# Allegro board RK3588_Template_LP4XD200P232SD10_32R6X52R0_2133MHz_H0R80_V10_20230220.brd (continued)
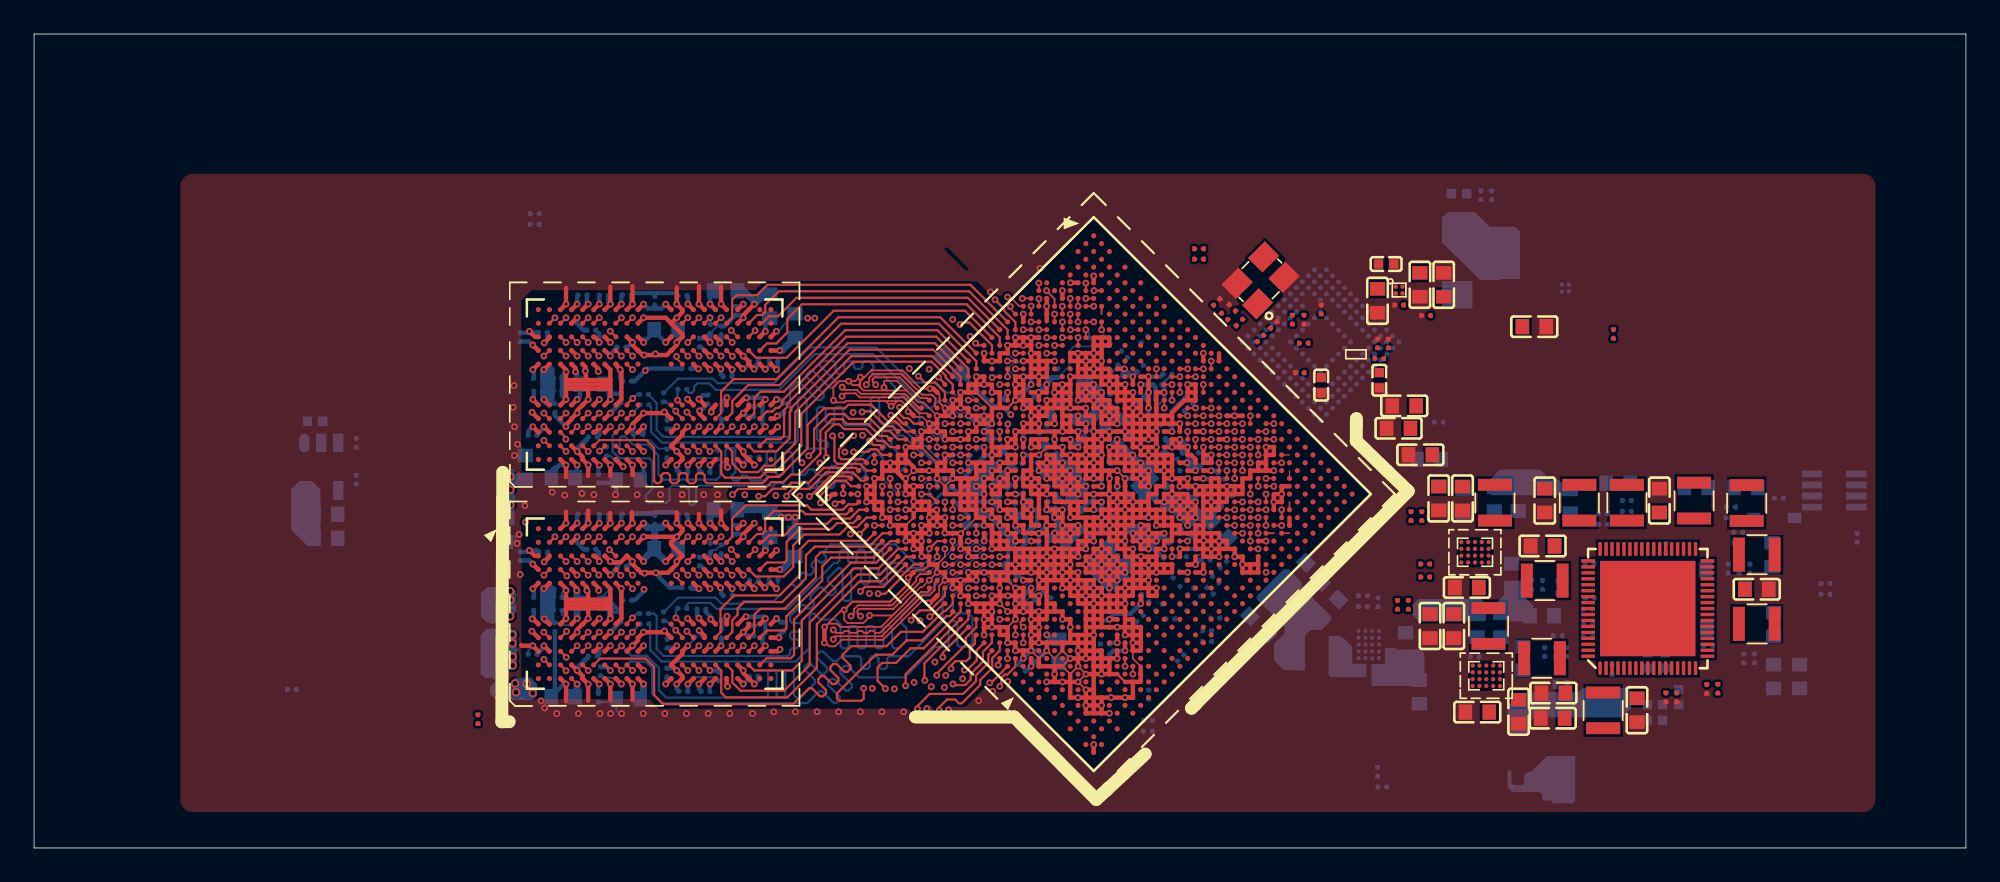
[diagram p0: board, top side]
## Routing (per net, layer and track width the routed paths; a pad name or vN(x,y) marks a point on that pad's centre or on a via; arc(x,y) is an arc through that point) (continued)
DDR_CH0_DQ5_A: length 27.4
  TOP w0.127: U1000.V2 55.3,12.96 54.68,12.34 54.68,11.94 52.98,10.24 v1(52.98,10.14) ; U3800.E4 v1(32.52,12.67)
  L8_S3 w0.094: v1(52.98,10.14) 52.91,10.07 52.78,10.07 52.35,10.5 44.08,10.5 43.41,11.17 43.41,12.02 43.15,12.28 42.73,12.28 42.62,12.39 42.62,12.64 42.51,12.75 42.3,12.75 42.19,12.64 42.19,12.39 42.08,12.28 32.91,12.28 v1(32.52,12.67)
DDR_CH0_DQ5_B: length 13.6
  TOP w0.127: U1000.G2 49.79,18.48 49.01,17.7 45.82,17.7 45.3,17.18 45.3,15.83 43.91,14.44 41.66,14.44 41.29,14.07 41.29,13.69 40.98,13.38 40.98,12.68 U3800.V4
DDR_CH0_DQ6_A: length 28
  TOP w0.127: U3800.C4 31.25,12.7 v1(31.25,12.72) ; U1000.V1 53.33,11.46 v1(53.33,11.21)
  L8_S3 w0.094: v1(31.25,12.72) 31.22,12.75 31.22,13.02 31.54,13.34 31.54,13.68 31.95,14.08 43.78,14.08 44.84,13.02 44.84,11.5 45.09,11.26 53.28,11.26 v1(53.33,11.21)
DDR_CH0_DQ6_B: length 11.5
  TOP w0.127: U3800.Y4 42.27,12.67 42.27,13.7 42.62,14.05 44.05,14.05 45.88,15.88 45.88,17.08 46.18,17.37 49.13,17.37 U1000.G1
DDR_CH0_DQ7_A: length 29.8
  TOP w0.127: U1000.U2 54.84,13.43 52.26,10.85 52.26,9.87 v1(52.28,9.84) ; U3800.B4 v1(29.92,12.67)
  L8_S3 w0.094: v1(29.92,12.67) 30.17,12.92 30.32,12.92 30.49,12.75 30.49,12.37 30.68,12.19 31.35,12.19 31.53,12 31.53,11.59 31.63,11.49 42.43,11.49 43.8,10.12 51.81,10.12 52.12,9.81 52.25,9.81 v1(52.28,9.84)
DDR_CH0_DQ7_B: length 11.4
  TOP w0.127: U1000.H2 50.25,18.02 49.28,17.05 46.77,17.05 46.26,16.54 46.26,15.7 44.15,13.6 44.15,12.9 44.03,12.77 43.02,12.77 42.92,12.67 U3800.AA4
DDR_CH0_DQ8_A: length 34.6
  TOP w0.127: v1(57.14,11.12) U1000.AB2 ; U3800.B11 v1(30.57,18.27)
  L8_S3 w0.094: v1(57.14,11.12) 57.03,11.12 56.77,11.37 56.77,11.94 55.89,12.83 55.78,12.83 54.71,13.89 54.55,13.89 54.3,13.64 54.14,13.64 53.99,13.79 53.99,13.95 54.25,14.2 54.25,14.36 54.09,14.51 53.94,14.51 53.68,14.25 53.52,14.25 52.36,15.42 52.2,15.42 51.87,15.09 51.72,15.09 51.56,15.25 51.56,15.4 51.89,15.73 51.89,15.89 51.34,16.44 50.41,16.44 48.99,17.85 48.01,17.85 46.9,18.96 43.45,18.96 42.71,19.71 31.32,19.71 30.57,18.96 v1(30.57,18.27)
DDR_CH0_DQ8_B: length 7.1
  TOP w0.127: U3800.AA11 42.72,17.95 43.14,18.36 44.05,18.36 44.72,19.03 46.54,19.03 46.85,19.34 47.89,19.34 48.41,19.86 U1000.D2 48.86,19.86
DDR_CH0_DQ9_A: length 33.4
  TOP w0.127: v1(56.58,10.74) 56.62,10.77 56.62,10.96 56.68,11.02 U1000.AB1 ; U3800.C11 v1(31.22,18.27)
  L8_S3 w0.094: v1(31.22,18.27) 31.23,18.27 31.71,18.75 32,18.75 32.19,18.94 32.19,19.23 32.38,19.42 42.51,19.42 43.34,18.59 46.81,18.59 47.88,17.52 48.85,17.52 52.32,14.06 52.94,14.06 53.05,13.95 53.05,13.45 53.16,13.34 53.34,13.34 53.45,13.45 53.45,13.51 53.55,13.61 53.71,13.61 54.2,13.12 54.35,13.12 54.63,13.4 54.79,13.4 54.94,13.25 54.94,13.09 54.62,12.77 54.62,12.64 54.85,12.41 55.13,12.41 55.24,12.3 55.24,12.02 55.42,11.84 55.63,11.84 55.96,12.17 56.11,12.17 56.27,12.02 56.27,11.86 55.94,11.53 55.94,11.29 56.5,10.74 v1(56.58,10.74)
DDR_CH0_DQ9_B: length 7.3
  TOP w0.127: U1000.C1 47.68,19.6 45.28,19.6 45.09,19.79 43.42,19.79 42.91,19.28 42.91,18.62 42.73,18.43 42.43,18.43 U3800.Y11 ; U1000.C1 47.94,19.86 U1000.C1
DDR_CH0_DQ10_A: length 33.1
  TOP w0.127: U1000.AC1 56.16,9.7 v1(56.09,9.7) ; U3800.E11 v1(32.52,18.27)
  L8_S3 w0.094: v1(32.52,18.27) 32.52,18.24 32.9,17.86 33.91,17.86 33.92,17.85 33.94,17.85 34.49,17.3 35.25,17.3 35.45,17.1 35.45,16.57 35.54,16.48 36.07,16.48 36.17,16.57 36.17,16.81 36.26,16.9 36.62,16.9 36.71,16.81 36.71,16.5 36.81,16.41 38.75,16.41 38.85,16.52 38.85,16.79 38.96,16.9 39.18,16.9 39.29,16.79 39.29,16.52 39.4,16.41 41.49,16.41 41.59,16.5 41.59,16.61 41.68,16.71 42.05,16.71 42.16,16.6 42.16,16.12 42.27,16.01 42.54,16.01 42.76,16.22 43.12,16.22 43.33,16.01 45.03,16.01 47.93,13.11 49.46,13.11 49.56,13.21 49.56,13.68 49.66,13.78 49.92,13.78 50.03,13.66 50.03,13.21 50.13,13.11 50.68,13.11 51.15,12.65 53.66,12.65 56.23,10.07 56.23,9.84 v1(56.09,9.7)
DDR_CH0_DQ10_B: length 9.6
  TOP w0.127: U1000.C2 48.26,20.18 47.79,20.18 47.48,19.86 45.62,19.86 45.36,20.12 41.76,20.12 40.97,19.33 40.97,18.27 U3800.V11
DDR_CH0_DQ11_A: length 34.2
  TOP w0.127: U3800.F11 v1(33.17,18.27) ; U1000.AC2 57.59,10.66 57.12,10.18 56.98,10.18 56.77,9.97 56.77,9.58 v1(56.68,9.49)
  L8_S3 w0.094: v1(56.68,9.49) 56.77,9.58 56.77,10.01 53.77,13 51.29,13 50.17,14.13 48.02,14.13 47.46,14.69 46.88,14.69 44.54,17.03 43.28,17.03 43.18,16.92 43.18,16.69 43.07,16.59 42.85,16.59 42.74,16.69 42.74,16.92 42.63,17.03 41.95,17.03 41.86,17.13 41.86,17.52 41.76,17.62 41.59,17.62 41.48,17.51 41.48,17.16 41.39,17.06 41.25,17.06 41.11,17.2 40.02,17.2 39.91,17.31 39.91,17.54 39.8,17.65 39.58,17.65 39.47,17.54 39.47,17.31 39.36,17.2 39.14,17.2 39.04,17.31 39.04,17.54 38.93,17.65 38.71,17.65 38.6,17.54 38.6,17.31 38.49,17.2 38.27,17.2 38.16,17.31 38.16,17.54 38.05,17.65 37.83,17.65 37.73,17.54 37.73,17.31 37.62,17.2 37.4,17.2 37.29,17.31 37.29,17.54 37.18,17.65 36.96,17.65 36.85,17.54 36.85,17.31 36.74,17.2 36.56,17.2 36.16,17.6 34.57,17.6 33.9,18.27 v1(33.17,18.27)
DDR_CH0_DQ11_B: length 8.5
  TOP w0.127: U1000.B1 47.12,20.32 v1(47,20.21) ; U3800.U11 v1(40.32,18.27)
  L6-S2 w0.094: v1(47,20.21) 47,20.17 45.91,19.08 43.34,19.08 42.96,18.71 40.75,18.71 v1(40.32,18.27)
DDR_CH0_DQ12_A: length 34.4
  TOP w0.127: U3800.F9 33.17,16.03 v1(33.14,16.03) ; U1000.Y1 55.33,11.62 55.33,11.02 54.76,10.45 v1(54.6,10.45)
  L8_S3 w0.094: v1(33.14,16.03) 33.14,15.7 33.49,15.36 33.49,14.83 33.62,14.7 36.24,14.7 36.37,14.83 36.37,15.19 36.48,15.3 36.69,15.3 36.8,15.19 36.8,14.83 36.91,14.72 37.13,14.72 37.24,14.83 37.24,15.19 37.35,15.3 37.57,15.3 37.68,15.19 37.68,14.83 37.79,14.72 38,14.72 38.11,14.83 38.11,15.19 38.22,15.3 38.44,15.3 38.55,15.19 38.55,14.83 38.66,14.72 43.89,14.72 44.08,14.9 44.08,15.19 44.18,15.29 44.49,15.29 44.72,15.07 44.72,14.91 44.48,14.67 44.48,14.52 44.63,14.36 44.78,14.36 45.02,14.6 45.18,14.6 45.33,14.45 45.33,14.3 45.09,14.05 45.09,13.9 45.61,13.38 45.61,12.31 45.69,12.23 45.81,12.23 45.95,12.37 45.95,13.42 46.15,13.63 46.55,13.63 48.21,11.97 53.44,11.97 54.6,10.81 v1(54.6,10.45)
DDR_CH0_DQ12_B: length 12.7
  TOP w0.127: U1000.F2 v1(49.32,18.94) ; U3800.U9 v1(40.32,16.02)
  L6-S2 w0.094: v1(49.32,18.94) 49.32,18.63 48.25,17.56 47.55,17.56 44.87,14.87 40.75,14.87 40.65,14.97 40.65,15.69 v1(40.32,16.02)
DDR_CH0_DQ13_A: length 36.7
  TOP w0.127: v1(53.93,9.63) 54,9.56 54.64,9.56 54.97,9.89 54.97,10.22 55.69,10.94 55.69,11.52 56.22,12.04 56.22,12.16 56.22,12.51 56.22,12.51 ; U3800.E9 v1(32.52,16.02)
  L8_S3 w0.094: v1(32.52,16.02) 32.52,15.68 32.82,15.38 32.82,14.81 32.72,14.72 30.66,14.72 30.55,14.61 30.55,13.94 30.63,13.86 31.23,13.86 31.76,14.4 44.1,14.4 45.27,13.23 45.27,11.72 45.38,11.61 53.41,11.61 54.19,10.83 54.19,10.16 54.05,10.02 54.05,9.75 v1(53.93,9.63)
DDR_CH0_DQ13_B: length 10.1
  TOP w0.127: U3800.V9 v1(40.97,16.02) ; U1000.E1 48.86,18.85 v1(48.44,18.43)
  L6-S2 w0.089: 47.33,17.85 47.05,17.58
  L6-S2 w0.094: v1(48.44,18.43) 48.44,18.17 48.12,17.85 47.33,17.85 ; v1(40.97,16.02) 41.32,15.67 45.15,15.67 47.05,17.58
DDR_CH0_DQ14_A: length 38.7
  TOP w0.127: U3800.C9 v1(31.27,15.98) ; v1(51.85,8.17) 51.85,8.33 52.56,9.04 54.53,9.04 55.28,9.8 55.28,10.14 55.92,10.77 56.01,10.86 56.01,11.34 56.22,11.55 56.22,11.59 U1000.AA1
  L8_S3 w0.094: v1(51.85,8.17) 51.64,8.38 31.04,8.38 28.89,10.53 28.89,15.54 29.73,16.38 30.86,16.38 v1(31.27,15.98)
DDR_CH0_DQ14_B: length 9.9
  TOP w0.127: 49.19,19.4 48.86,19.4 48.3,18.84 47.71,18.84 47.28,18.41 45.2,18.41 44.56,17.77 44.56,16.5 43.99,15.94 42.36,15.94 U3800.Y9 ; 49.19,19.4 49.19,19.4 U1000.E2 49.32,19.4 49.19,19.4
DDR_CH0_DQ15_A: length 38.5
  TOP w0.127: U3800.B9 v1(29.92,16.02) ; v1(53.13,8.08) 53.13,8.27 53.58,8.72 54.05,8.72 54.27,8.5 54.45,8.5 55.53,9.57 55.53,9.86 56.23,10.57 56.23,11.15 56.68,11.59 U1000.AA2
  L8_S3 w0.094: v1(29.92,16.02) 29.6,15.7 29.6,14.64 29.7,14.53 30.09,14.53 30.2,14.42 30.2,14.2 30.09,14.09 29.72,14.09 29.6,13.97 29.6,13.34 29.55,13.29 29.55,12.36 29.59,12.32 29.59,11.37 29.49,11.27 29.49,10.36 31.19,8.66 51.28,8.66 51.48,8.87 52.73,8.87 53.15,8.45 53.15,8.29 53.13,8.27 v1(53.13,8.08)
DDR_CH0_DQ15_B: length 7.7
  TOP w0.127: 48.4,19.4 U1000.D1 48.4,19.4 ; 48.4,19.4 48.08,19.07 47.13,19.07 46.79,18.74 44.93,18.74 44.16,17.97 44.16,16.89 44.04,16.76 43.01,16.76 U3800.AA9
DDR_CH0_DQS0N_A: length 34.4
  TOP w0.102: 55.76,14.81 v1(55.3,14.81) ; 55.76,14.81 U1000.U4 55.76,14.81
  TOP w0.104: U1000.U4 55.77,14.81 ; U3800.E3 v1(32.52,11.87)
  L6-S2 w0.089: v1(32.52,11.87) 32.39,11.87 32.3,11.78 32.3,11.41 32.51,11.2 36.08,11.2 36.53,10.76 36.53,10.5 36.53,9.42 36.88,9.07 42.37,9.07 42.44,9.14 46.35,9.14 47.73,10.52 48.02,10.52 48.37,10.18 48.51,10.18 48.64,10.3 48.64,10.45 48.3,10.8 48.3,11.1 49.15,11.96 49.4,11.96 49.4,11.95 49.72,11.95 49.93,11.74 49.93,10.21 50.04,10.11 50.26,10.11 50.32,10.16 50.32,11.74 50.54,11.96 50.79,11.96 53.17,11.95 54.35,13.14 54.35,13.36 54.45,13.46 54.67,13.46 54.82,13.61 54.82,13.76 54.98,13.92 55.14,13.92 55.61,14.4 55.61,14.81 55.52,14.9 55.39,14.9 v1(55.3,14.81)
DDR_CH0_DQS0N_B: length 18.3
  TOP w0.104: U3800.V3 v1(40.97,11.87) ; U1000.J7 v1(53.46,20.32)
  L6-S2 w0.089: v1(53.46,20.32) 53.43,20.32 53.42,20.33 53.36,20.33 53.28,20.41 52.67,20.41 52.45,20.2 50.73,18.48 50.56,18.48 49.92,17.85 49.91,17.83 49.46,17.83 48.15,16.52 47.71,16.52 47.4,16.52 45.23,14.36 41.51,14.36 41.04,13.89 41.04,12.35 41.19,12.19 41.19,11.97 41.1,11.87 v1(40.97,11.87)
DDR_CH0_DQS0P_A: length 34.9
  TOP w0.104: U1000.U5 v1(55.76,15.27) ; U3800.D3 v1(31.87,11.87)
  L6-S2 w0.089: v1(55.76,15.27) 55.82,15.2 55.82,14.32 53.25,11.75 50.7,11.75 50.7,11.75 50.62,11.75 50.52,11.66 50.52,10.07 50.36,9.9 49.94,9.9 49.73,10.12 49.73,11.66 49.63,11.75 49.32,11.75 49.32,11.75 49.23,11.75 48.5,11.02 48.5,10.88 48.85,10.53 48.85,10.22 48.6,9.97 48.29,9.97 47.94,10.32 47.81,10.32 46.43,8.94 42.52,8.94 42.45,8.86 36.79,8.86 36.33,9.33 36.33,10.59 36.33,10.67 36,11 32.42,11 32.09,11.34 32.09,11.64 31.87,11.86 v1(31.87,11.87)
DDR_CH0_DQS0P_B: length 18.5
  TOP w0.104: U1000.J8 v1(53.92,19.87) ; U3800.W3 v1(41.62,11.87)
  L6-S2 w0.089: v1(53.92,19.87) 53.43,19.87 53.09,20.21 52.75,20.21 52.66,20.12 50.82,18.28 50.64,18.28 50.13,17.76 49.99,17.63 49.55,17.63 48.24,16.32 47.8,16.32 47.48,16.32 45.32,14.16 41.59,14.16 41.24,13.81 41.24,12.43 41.41,12.27 41.41,11.96 41.49,11.87 v1(41.62,11.87)
DDR_CH0_DQS1N_A: length 41.7
  TOP w0.104: v1(57.6,12.51) 57.59,12.51 U1000.AA4 ; U3800.E10 v1(32.52,16.82)
  L6-S2 w0.089: v1(32.52,16.82) 32.37,16.82 32.37,16.85 32.3,16.92 32.3,17.18 32,17.47 31.04,17.47 30.5,16.93 30.5,9.06 31.31,8.25 42.74,8.25 42.82,8.33 47.07,8.33 47.07,8.33 51,8.33 51.37,8.7 54.14,8.7 55.93,10.49 55.93,11.45 57.17,12.68 57.17,12.68 57.32,12.83 57.57,12.83 57.68,12.72 57.68,12.6 v1(57.6,12.51)
DDR_CH0_DQS1N_B: length 12.8
  TOP w0.104: U3800.V10 v1(40.97,16.82) ; v1(50.24,19.86) 50.28,19.9 50.67,19.9 50.7,19.86
  L6-S2 w0.089: v1(40.97,16.82) 40.96,16.99 41.06,17.11 41.39,17.11 41.75,16.75 43.28,16.75 43.43,16.9 44.02,16.9 44.24,17.11 44.24,17.95 44.36,18.07 44.54,18.07 44.82,17.79 45.29,17.79 45.42,17.92 46.26,17.92 46.47,18.13 47.46,19.12 48.62,19.12 49.51,20.02 50.15,20.02 50.24,19.92 v1(50.24,19.86)
DDR_CH0_DQS1P_A: length 42.5
  TOP w0.102: v1(58.05,12.97) 57.9,13.13 57.9,13.27 U1000.AA5
  TOP w0.104: U3800.D10 v1(31.87,16.82)
  L6-S2 w0.089: v1(31.87,16.82) 32,16.82 32.09,16.91 32.09,17.1 31.92,17.27 31.13,17.27 30.7,16.85 30.7,9.15 31.39,8.46 31.56,8.46 31.7,8.61 31.84,8.61 31.99,8.46 32.22,8.46 32.35,8.6 32.51,8.6 32.65,8.46 32.88,8.46 33.01,8.6 33.18,8.6 33.31,8.46 33.54,8.46 33.67,8.6 33.84,8.6 33.97,8.46 34.2,8.46 34.34,8.61 34.48,8.61 34.63,8.46 34.86,8.46 34.96,8.57 35.19,8.57 35.29,8.46 35.52,8.46 35.66,8.6 35.81,8.6 35.96,8.46 42.66,8.46 42.73,8.53 46.86,8.53 46.86,8.54 47.61,8.54 47.74,8.68 47.9,8.68 48.04,8.54 48.27,8.54 48.38,8.66 48.58,8.66 48.7,8.54 48.93,8.54 49.03,8.65 49.26,8.65 49.36,8.54 49.59,8.54 49.69,8.65 49.92,8.65 50.02,8.54 50.25,8.54 50.35,8.65 50.58,8.65 50.68,8.54 50.91,8.54 51.28,8.92 52.07,8.92 52.18,9.02 52.4,9.02 52.51,8.92 52.73,8.92 52.84,9.02 53.06,9.02 53.17,8.92 53.39,8.92 53.5,9.02 53.73,9.02 53.83,8.92 54.07,8.92 55.73,10.58 55.73,11.53 57.08,12.89 57.09,12.89 57.24,13.04 57.66,13.04 57.83,12.88 57.93,12.88 57.95,12.86 v1(58.05,12.97)
DDR_CH0_DQS1P_B: length 13.1
  TOP w0.104: U1000.F5 v1(50.7,20.32) ; U3800.W10 v1(40.92,17.53)
  L6-S2 w0.089: v1(50.7,20.32) 50.59,20.21 50.24,20.21 50.23,20.22 49.43,20.22 48.54,19.33 47.38,19.33 46.39,18.33 46.18,18.12 45.34,18.12 45.21,18 44.9,18 44.63,18.27 44.44,18.27 44.27,18.27 44.03,18.03 44.03,17.2 43.94,17.1 43.35,17.1 43.2,16.95 41.84,16.95 41.48,17.31 41.13,17.31 v1(40.92,17.53)
DDR_CH0_LP4/4X_CKE0/LP5_CS0_A: length 36.1
  TOP w0.127: U1000.P7 v1(55.3,17.56)
  BOTTOM w0.089: v1(55.3,17.56) 55.17,17.44 54.71,17.44 53.05,15.77
  BOTTOM w0.127: R3801.1 36.16,13.08 36.16,11.63 36.84,10.94 44.7,10.94 45.52,11.76 45.52,13.67 45.62,13.76 45.79,13.76 46.14,13.41 47.04,13.41 47.33,13.12 47.33,11.85 47.46,11.72 47.69,11.72 47.82,11.85 47.82,12.9 47.95,13.03 48.2,13.03 48.33,12.9 48.33,11.85 48.45,11.72 48.71,11.72 48.84,11.85 48.84,12.9 48.96,13.03 49.22,13.03 49.34,12.9 49.34,11.85 49.47,11.72 49.72,11.72 49.85,11.85 49.85,12.9 49.98,13.03 50.23,13.03 50.36,12.9 50.36,11.85 50.49,11.72 50.75,11.72 51.2,12.17 51.2,12.92 50.91,13.2 50.91,13.66 52.19,14.93 52.39,14.93 53.05,15.59 53.05,15.77
DDR_CH0_LP4/4X_CKE0/LP5_CS0_B: length 21.4
  TOP w0.127: U1000.L5 53,18.02 v1(52.54,17.56)
  BOTTOM w0.127: R3804.1 37.8,14.7 39.99,14.7 40.34,14.35 41.52,14.35 41.66,14.5 43.43,14.5 44.38,15.45 44.56,15.45 44.68,15.33 44.86,15.33 45.04,15.51 45.04,15.69 44.92,15.81 44.92,15.99 45.1,16.17 45.28,16.17 45.4,16.05 45.58,16.05 45.76,16.23 45.76,16.41 45.64,16.53 45.64,16.71 45.82,16.89 46,16.89 46.12,16.77 46.3,16.77 46.48,16.95 46.48,17.13 46.36,17.25 46.36,17.43 46.76,17.83 50.54,17.83 51.66,16.72 52.27,16.72 52.47,16.92 52.47,17.5 v1(52.54,17.56)
DDR_CH0_LP4/4X_CKE0_A: length 1.1
  TOP w0.127: U3800.J4 v1(35.12,12.67)
  BOTTOM w0.127: v1(35.12,12.67) 35.12,12.7 R3801.2
DDR_CH0_LP4/4X_CKE0_B: length 1.5
  TOP w0.127: U3800.P4 38.05,12.41 v1(37.66,12.79)
  BOTTOM w0.127: v1(37.66,12.79) 37.11,13.35 R3804.2
DDR_CH0_LP4/4X_CKE1/LP5_CS1_A: length 36.4
  TOP w0.127: U1000.N7 v1(54.84,18.02)
  BOTTOM w0.089: v1(54.84,18.02) 54.72,17.91 54.26,17.91 52.59,16.23 50.65,16.23 50.57,16.31
  BOTTOM w0.127: 50.57,16.31 50.45,16.43 50.19,16.43 50.06,16.31 50.06,15.64 49.94,15.52 49.68,15.52 49.56,15.64 49.56,16.31 49.43,16.43 49.17,16.43 49.05,16.31 49.05,15.64 48.92,15.52 48.67,15.52 48.54,15.64 48.54,16.31 48.41,16.43 48.08,16.43 47.96,16.31 47.96,14.63 47.83,14.51 47.58,14.51 47.45,14.63 47.45,16.31 47.32,16.43 47.19,16.43 46.59,15.83 46.59,15.65 47.04,15.21 47.04,15.03 46.86,14.85 46.68,14.85 46.23,15.29 46.05,15.29 45.57,14.8 45.57,14.62 45.76,14.42 45.76,14.24 45.58,14.06 45.41,14.06 45.21,14.26 45.03,14.26 44.37,13.61 44.37,13.34 44.49,13.21 44.94,13.21 45.06,13.08 45.06,12.83 44.94,12.7 44.49,12.7 44.37,12.58 44.37,12.37 44.49,12.25 44.78,12.25 44.91,12.12 44.91,11.87 44.78,11.74 44.49,11.74 44.37,11.61 44.37,11.4 44.24,11.27 36.96,11.27 36.53,11.7 36.53,13.63 36.4,13.77 R3802.1
DDR_CH0_LP4/4X_CKE1/LP5_CS1_B: length 20.8
  TOP w0.127: U1000.L4 53,17.1 v1(53,17.1)
  BOTTOM w0.127: v1(53,17.1) 53,17.02 52.43,16.45 51.25,16.45 50.96,16.74 49.93,16.74 49.81,16.87 49.81,17.38 49.68,17.51 49.43,17.51 49.3,17.38 49.3,16.87 49.17,16.74 48.92,16.74 48.79,16.87 48.79,17.38 48.66,17.51 48.41,17.51 48.28,17.38 48.28,16.87 48.16,16.74 47.9,16.74 47.78,16.87 47.78,17.38 47.65,17.51 47.39,17.51 47.27,17.38 47.27,16.87 47.14,16.74 46.97,16.74 44.26,14.03 40.06,14.03 39.7,14.39 38.45,14.39 38.3,14.24 R3805.1
DDR_CH0_LP4/4X_CKE1_A: length 1
  TOP w0.127: U3800.J5 34.8,13.18 v1(35.12,13.51)
  BOTTOM w0.127: R3802.2 35.38,13.77 v1(35.12,13.51)
DDR_CH0_LP4/4X_CKE1_B: length 1.2
  TOP w0.127: U3800.P5 38.03,13.15 v1(37.67,13.51)
  BOTTOM w0.102: 37.66,13.93 37.67,13.94
  BOTTOM w0.127: R3805.2 37.67,13.94 v1(37.67,13.51)
DDR_CH0_LP4/4X_CS0_A: length 35.9
  TOP w0.127: U1000.R6 v1(55.3,16.64) ; U3800.H4 v1(34.47,12.67)
  L4-S1 w0.094: v1(55.3,16.64) 55.3,16.18 54.7,15.59 53.83,14.72 53.81,14.72 53.56,14.47 53.56,14.07 52.34,12.85 51.63,12.85 47.84,9.06 47.47,9.06 47.37,9.15 47.37,9.42 47.28,9.52 47.09,9.52 47,9.42 47,9.15 46.9,9.06 46.71,9.06 46.62,9.15 46.62,9.42 46.53,9.52 46.34,9.52 46.24,9.42 46.24,9.15 46.15,9.06 45.96,9.06 45.87,9.15 45.87,9.42 45.77,9.52 45.59,9.52 45.49,9.42 45.49,9.15 45.4,9.06 45.21,9.06 45.12,9.15 45.12,9.42 45.02,9.52 44.83,9.52 44.74,9.42 44.74,9.15 44.65,9.06 44.46,9.06 44.36,9.15 44.36,9.42 44.27,9.52 44.08,9.52 43.99,9.42 43.99,9.15 43.89,9.06 43.71,9.06 43.61,9.15 43.61,9.42 43.52,9.52 43.33,9.52 43.24,9.42 43.24,9.15 43.14,9.06 36.72,9.06 36.28,9.5 36.28,11.04 36.18,11.14 34.6,11.14 34.5,11.23 34.5,11.42 34.6,11.51 36.18,11.51 36.28,11.61 36.28,12.04 36.03,12.29 34.86,12.29 v1(34.47,12.67)
DDR_CH0_LP4/4X_CS0_B: length 23.5
  TOP w0.127: U3800.R4 v1(38.32,12.73) ; U1000.L7 v1(53.92,18.94)
  L4-S1 w0.094: v1(38.32,12.73) 38.73,12.31 39.71,12.31 40.11,12.71 40.51,12.71 40.65,12.58 40.65,11.67 40.86,11.47 43.29,11.47 43.85,10.91 47.46,10.91 49.93,13.38 49.93,13.86 50.4,14.33 50.4,16.79 51.3,17.69 51.3,17.7 51.76,18.15 52.68,19.07 52.87,19.26 53.13,19.26 53.45,18.94 v1(53.92,18.94)
DDR_CH0_LP4/4X_CS1_A: length 40.7
  TOP w0.127: U1000.R7 v1(55.76,17.1) ; U3800.H3 v1(34.47,11.87)
  BOTTOM w0.089: 53.32,14.9 53.32,15.13 55.2,17.01 55.66,17.01 v1(55.76,17.1)
  BOTTOM w0.127: 53.32,14.9 53.32,13.26 51.32,11.26 50.2,11.26 50.07,11.13 50.07,10.64 49.95,10.51 49.69,10.51 49.56,10.64 49.56,11.13 49.44,11.26 49.18,11.26 49.06,11.13 49.06,10.64 48.93,10.51 48.68,10.51 48.55,10.64 48.55,11.13 48.42,11.26 47.4,11.26 47.13,10.99 46.86,10.99 46.31,11.53 46.13,11.53 45.95,11.35 45.95,11.17 46.55,10.58 46.55,10.4 46.37,10.22 46.19,10.22 45.59,10.81 45.41,10.81 45.23,10.63 45.23,10.45 45.83,9.86 45.83,9.68 44.98,8.83 44.73,8.83 44.6,8.96 44.6,10.3 44.47,10.43 44.22,10.43 44.09,10.3 44.09,8.96 43.96,8.83 43.71,8.83 43.58,8.96 43.58,10.3 43.46,10.43 43.2,10.43 43.08,10.3 43.08,8.96 42.95,8.83 37.09,8.83 36.67,9.26 36.67,10.57 35.96,11.29 35.06,11.29 v1(34.47,11.87)
DDR_CH0_LP4/4X_CS1_B: length 24.7
  TOP w0.127: 54.84,19.4 v1(54.38,19.4) ; U3800.R3 v1(39.02,11.87)
  L4-S1 w0.094: v1(39.02,11.87) 39.02,11.63 38.93,11.53 38.04,11.53 37.95,11.44 37.95,11.19 38.03,11.11 42.97,11.11 43.56,10.52 47.57,10.52 50.22,13.17 50.22,13.68 50.82,14.28 50.82,16.31 51.72,17.2 52.41,17.89 53.32,17.89 53.8,18.37 53.84,18.37 54.27,18.8 54.27,18.82 54.38,18.93 v1(54.38,19.4)
DDR_CH1_A0_C: length 36.7
  TOP w0.127: U3801.H2 v1(34.47,23.29) ; U1000.G12 v1(54.38,23.08)
  BOTTOM w0.089: 53.2,22.72 53.56,22.72 53.92,23.08 v1(54.38,23.08)
  BOTTOM w0.127: 53.2,22.72 52.31,23.62 52.01,23.62 51.21,24.42 51.21,24.42 51.08,24.55 49.88,24.55 49.76,24.42 49.76,23.89 49.94,23.7 49.94,23.52 49.82,23.4 48.93,23.4 47.45,21.91 47.3,21.91 47.17,22.04 47.17,22.31 47.04,22.43 46.79,22.43 46.66,22.31 46.66,22.04 46.53,21.91 45.99,21.91 45.86,22.04 45.86,22.1 45.73,22.23 45.48,22.23 45.35,22.1 45.35,22.04 45.22,21.91 44.65,21.91 44.53,22.04 44.53,23.12 44.38,23.26 44.14,23.26 44.02,23.13 44.02,22.04 43.89,21.91 43.64,21.91 43.51,22.04 43.51,23.21 43.38,23.34 43.13,23.34 43,23.21 43,22.62 42.87,22.49 42.86,22.49 42.74,22.37 42.74,22.11 42.86,21.98 42.87,21.98 43,21.86 43,21.71 42.87,21.58 42.08,21.58 41.96,21.71 41.96,21.74 41.83,21.86 41.58,21.86 41.45,21.74 41.45,21.71 41.32,21.58 41.07,21.58 40.94,21.71 40.94,21.85 41.16,22.07 41.16,23.37 41.04,23.49 40.69,23.49 40.58,23.37 40.58,22.77 40.27,22.46 40.27,21.85 40.05,21.62 36.95,21.62 36.64,21.93 36.64,23.05 36.01,23.68 35.16,23.68 34.68,24.17 34.5,24.17 34.37,24.04 34.37,23.39 v1(34.47,23.29)
DDR_CH1_A0_D: length 23.6
  TOP w0.127: U3801.R2 v1(39.02,23.29) ; U1000.H15 v1(56.68,24.46)
  L4-S1 w0.094: v1(39.02,23.29) 39.21,23.29 39.57,22.93 40.11,22.93 40.21,23.02 40.21,23.25 40.3,23.34 40.49,23.34 40.58,23.25 40.58,23.02 40.68,22.93 42.37,22.93 42.47,23.02 42.47,23.3 42.56,23.4 42.75,23.4 42.84,23.3 42.84,23.02 42.94,22.93 43.13,22.93 43.22,23.02 43.22,23.3 43.31,23.4 43.5,23.4 43.6,23.3 43.6,23.02 43.69,22.93 44.19,22.93 44.84,23.58 50.2,23.58 50.59,23.97 51.86,23.97 52.15,23.67 52.68,23.67 52.87,23.86 53.33,24.32 53.59,24.32 53.78,24.13 54.06,24.13 54.25,24.33 54.5,24.33 54.7,24.13 54.7,23.85 54.52,23.67 54.52,23.41 54.71,23.22 55.89,23.22 56.08,23.41 56.08,23.86 v1(56.68,24.46)
DDR_CH1_A1_C: length 34.2
  TOP w0.127: U1000.F12 v1(53.92,23.54) ; U3801.J2 v1(35.12,23.29)
  L4-S1 w0.094: v1(35.12,23.29) 35.44,22.97 35.44,21.95 35.53,21.86 36.06,21.86 36.15,21.95 36.15,23.8 36.24,23.89 36.43,23.89 36.53,23.8 36.53,21.95 36.62,21.86 41.02,21.86 41.11,21.95 41.11,22.03 41.21,22.12 41.39,22.12 41.49,22.03 41.49,21.95 41.58,21.86 42.74,21.86 42.83,21.95 42.83,22.48 42.92,22.57 43.11,22.57 43.21,22.48 43.21,21.95 43.3,21.86 43.49,21.86 43.58,21.95 43.58,22.48 43.68,22.57 43.86,22.57 43.96,22.48 43.96,21.95 44.05,21.86 44.42,21.86 44.51,21.95 44.51,22.19 44.61,22.28 44.79,22.28 44.89,22.19 44.89,21.95 44.98,21.86 45.17,21.86 45.26,21.95 45.26,22.19 45.36,22.28 45.55,22.28 45.64,22.19 45.64,21.95 45.73,21.86 46.67,21.86 46.76,21.95 46.76,22.63 46.86,22.73 47.05,22.73 47.14,22.63 47.14,21.95 47.23,21.86 47.37,21.86 47.46,21.95 47.46,22.67 47.55,22.76 47.74,22.76 47.84,22.67 47.84,21.95 47.93,21.86 48.07,21.86 48.46,22.25 48.46,22.38 48.19,22.65 48.19,22.78 48.33,22.92 48.46,22.92 48.73,22.65 48.86,22.65 49.18,22.97 49.54,22.97 49.63,23.06 49.63,23.21 49.72,23.3 49.91,23.3 50.01,23.21 50.01,23.06 50.1,22.97 51.04,22.97 51.53,23.46 51.79,23.46 52.12,23.13 53.06,23.13 53.33,23.4 53.78,23.4 v1(53.92,23.54)
DDR_CH1_A1_D: length 22.6
  TOP w0.127: U3801.P2 v1(38.37,23.29) ; U1000.G14 v1(55.3,24)
  L4-S1 w0.094: v1(55.3,24) 55.3,24.47 54.98,24.79 54.7,24.79 54.51,24.6 54.25,24.6 53.81,25.04 53.79,25.04 53.59,25.24 53.33,25.24 53.15,25.06 52.87,25.06 52.83,25.09 52.82,25.09 52.67,25.24 52.29,25.24 51.65,24.6 46.57,24.6 46.48,24.51 46.48,23.94 46.38,23.84 46.19,23.84 46.1,23.94 46.1,24.51 46.01,24.6 45.82,24.6 45.72,24.51 45.72,23.94 45.63,23.84 45.44,23.84 45.35,23.94 45.35,24.51 45.25,24.6 45.15,24.6 44.35,23.8 38.47,23.8 38.37,23.7 v1(38.37,23.29)
DDR_CH1_A2_C: length 35.6
  TOP w0.127: v1(53.92,24.46) 54.38,24.46 ; 54.38,24.46 U1000.E13 54.38,24.46 ; U3801.H9 v1(34.47,28.89)
  L8_S3 w0.094: v1(34.47,28.89) 34.47,29.09 34.19,29.37 33.69,29.37 33.49,29.57 33.49,29.86 33.35,30.01 32.46,30.01 32.23,30.23 30.42,30.23 29.84,30.82 29.84,31.38 31.16,32.7 46.24,32.7 52.11,26.83 52.11,26.74 53.33,25.52 53.92,24.93 v1(53.92,24.46)
DDR_CH1_A2_D: length 24.9
  TOP w0.127: U3801.R9 v1(39.02,28.89) ; U1000.G13 v1(54.84,23.54)
  L6-S2 w0.094: v1(39.02,28.89) 39.36,28.55 39.36,27.66 39.41,27.61 39.41,24.91 39.36,24.87 39.36,24.61 39.85,24.12 42.12,24.12 42.34,24.34 44.74,24.34 45.44,25.04 51.55,25.04 52.71,26.21 53.55,26.21 54.22,25.53 54.24,25.53 54.25,25.52 54.51,25.52 54.52,25.53 54.54,25.53 54.71,25.7 54.97,25.7 55.14,25.52 55.14,25.51 55.15,25.51 55.15,25.25 55.14,25.24 55.14,25.23 54.98,25.06 54.98,24.78 55.15,24.61 55.15,24.3 54.84,23.99 v1(54.84,23.54)
DDR_CH1_A3_C: length 32.3
  TOP w0.127: U3801.H10 v1(33.81,30.35) ; v1(53.46,24.92) U1000.D13 53.92,24.92
  L8_S3 w0.094: v1(33.81,30.35) 32.79,30.35 32.59,30.55 30.63,30.55 30.21,30.98 30.21,31.37 31.22,32.39 46.1,32.39 51.71,26.77 51.71,26.2 52.99,24.92 v1(53.46,24.92)
DDR_CH1_A3_D: length 23.5
  TOP w0.127: U3801.R10 v1(38.37,29.69) ; U1000.E14 v1(54.38,24.92)
  L6-S2 w0.094: v1(54.38,24.92) 53.93,24.92 53.33,24.32 53.14,24.13 52.87,24.13 52.29,24.71 52.28,24.71 52.16,24.83 51.82,24.83 51.7,24.71 45.58,24.71 44.9,24.03 42.55,24.03 42.3,23.77 39.42,23.77 38.7,24.49 38.7,27.85 38.05,28.5 38.05,29.37 v1(38.37,29.69)
DDR_CH1_A4_C: length 29.4
  TOP w0.127: v1(50.28,25.41) 50.52,25.41 51.01,24.92 U1000.A10 ; U3801.H11 v1(34.47,31.14)
  L8_S3 w0.094: v1(50.28,25.41) 49.96,25.73 49.96,26.15 50.25,26.44 50.25,27.15 49.5,27.9 49.37,27.9 49.2,27.74 49.07,27.74 48.94,27.87 48.94,28 49.1,28.17 49.1,28.3 48.92,28.49 48.27,28.49 48.18,28.58 48.18,29.24 48.08,29.33 47.89,29.33 47.8,29.24 47.8,28.58 47.71,28.49 47.43,28.49 47.34,28.58 47.34,29.8 47.25,29.89 47.06,29.89 46.96,29.8 46.96,28.58 46.87,28.49 46.56,28.49 46.01,29.04 46.01,29.17 46.21,29.36 46.21,29.5 46.08,29.63 45.94,29.63 45.75,29.44 45.61,29.44 45.48,29.57 45.48,29.7 45.68,29.9 45.68,30.03 45.54,30.16 45.41,30.16 45.22,29.97 45.08,29.97 44.26,30.79 43.31,30.79 43.21,30.88 43.21,31.2 43.11,31.3 42.98,31.3 42.88,31.2 42.88,30.88 42.79,30.79 42.65,30.79 42.56,30.88 42.56,31.2 42.46,31.3 42.32,31.3 42.23,31.2 42.23,30.88 42.13,30.79 41.15,30.79 41.05,30.88 41.05,31.16 40.96,31.26 40.82,31.26 40.73,31.16 40.73,30.88 40.63,30.79 35.44,30.79 35.39,30.74 34.8,30.74 34.47,31.07 v1(34.47,31.14)
DDR_CH1_A4_D: length 18.8
  TOP w0.127: v1(53.08,27.65) 53.07,27.65 53.07,27.65 53.46,27.26 U1000.A15 ; U3801.R11 v1(39.02,31.14)
  L4-S1 w0.094: v1(53.08,27.65) 53.08,28.15 52.63,28.6 50.89,28.6 50.48,29.01 50.48,29.15 50.65,29.31 50.65,29.44 50.51,29.57 50.38,29.57 50.22,29.41 50.08,29.41 49.95,29.54 49.95,29.68 50.11,29.84 50.11,29.97 49.98,30.11 49.85,30.11 49.69,29.94 49.55,29.94 49.42,30.08 49.42,30.21 49.58,30.37 49.58,30.5 49.45,30.64 49.32,30.64 49.15,30.48 49.02,30.48 48.78,30.71 39.33,30.71 39.02,31.02 v1(39.02,31.14)